# Altium PCB Adafruit CLUE nRF52840 Express.PcbDoc
Units mm, origin at the board's own origin, x right, y up, seen from the top; angles counter-clockwise.
Board outline 51.4 x 42 mm, 2 copper layers (Top, Bottom); 62 components, 59 nets, 303 pads, 136 vias.
Unrouted connection lines stored in the file: 9.
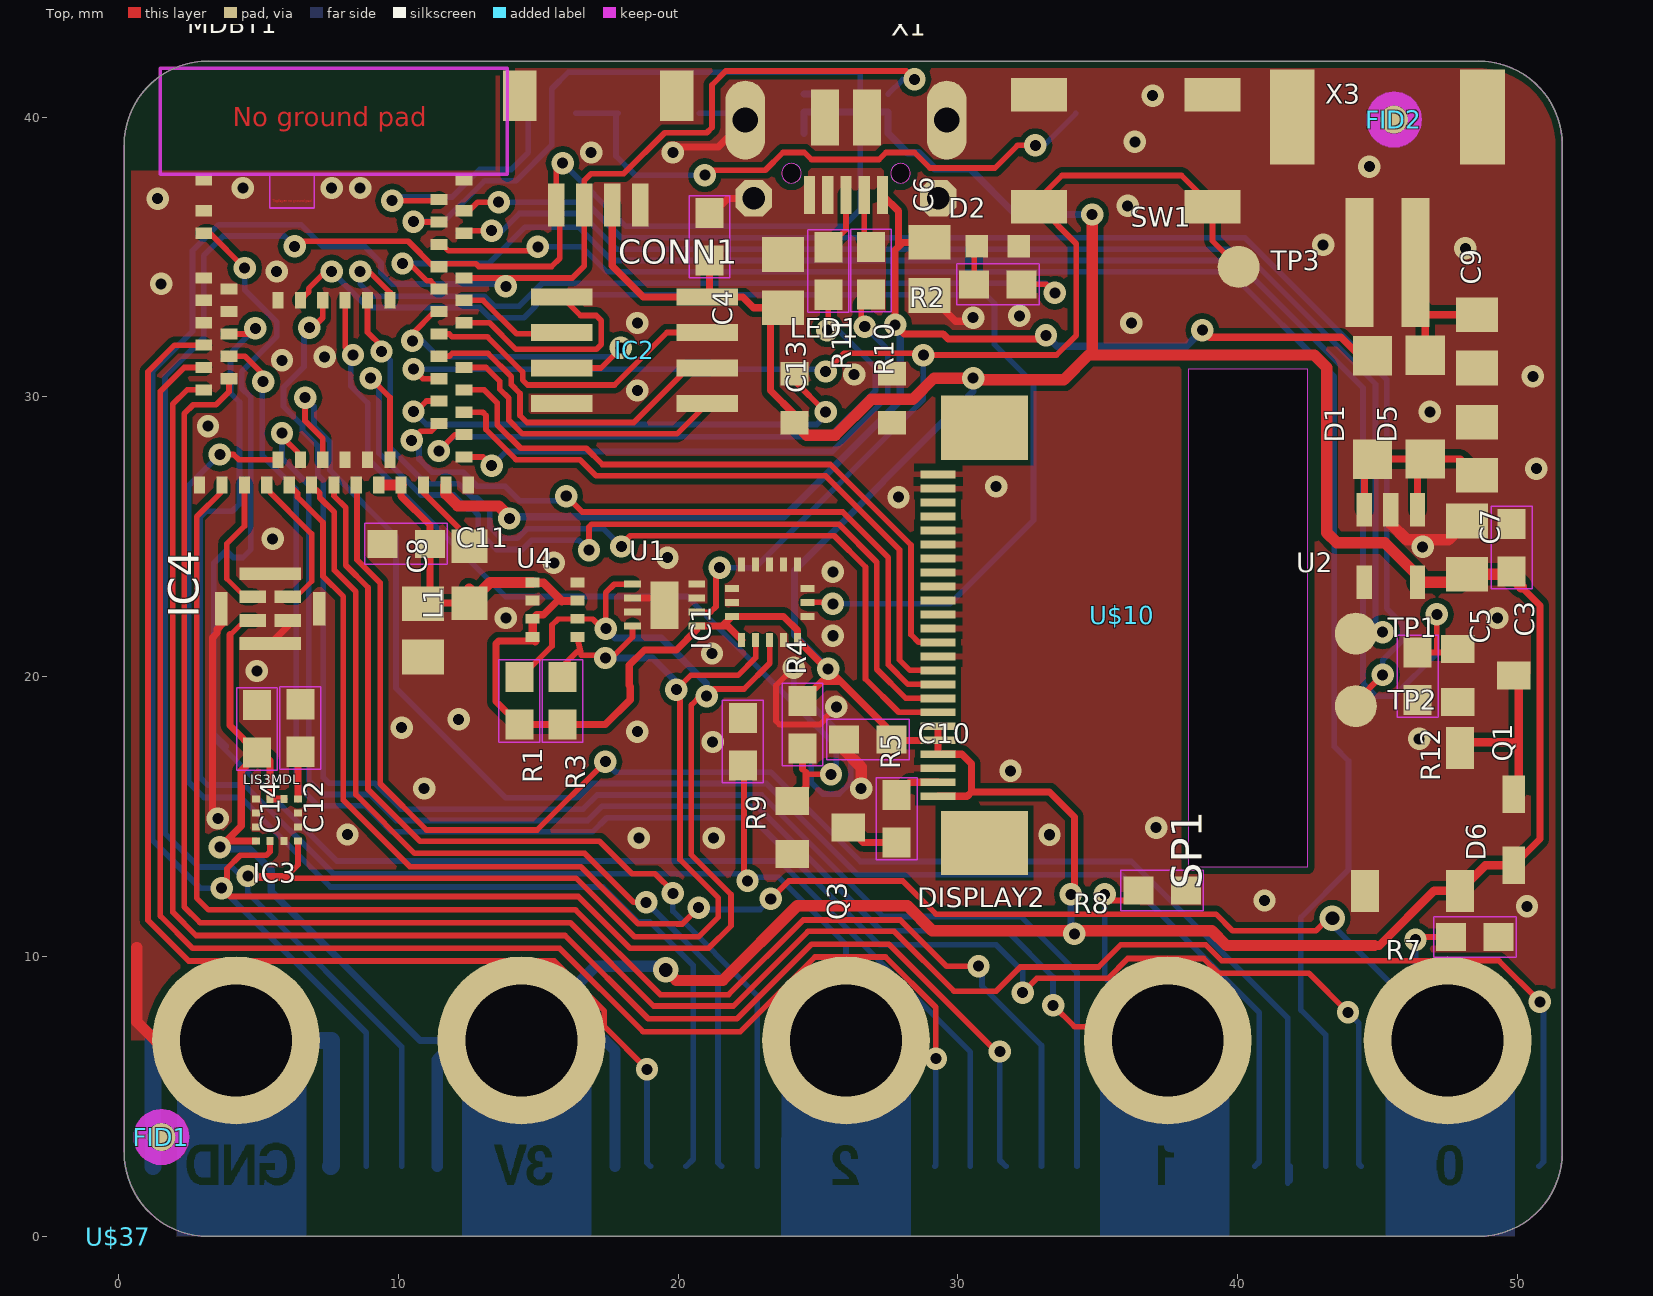
[diagram p0: Top view]
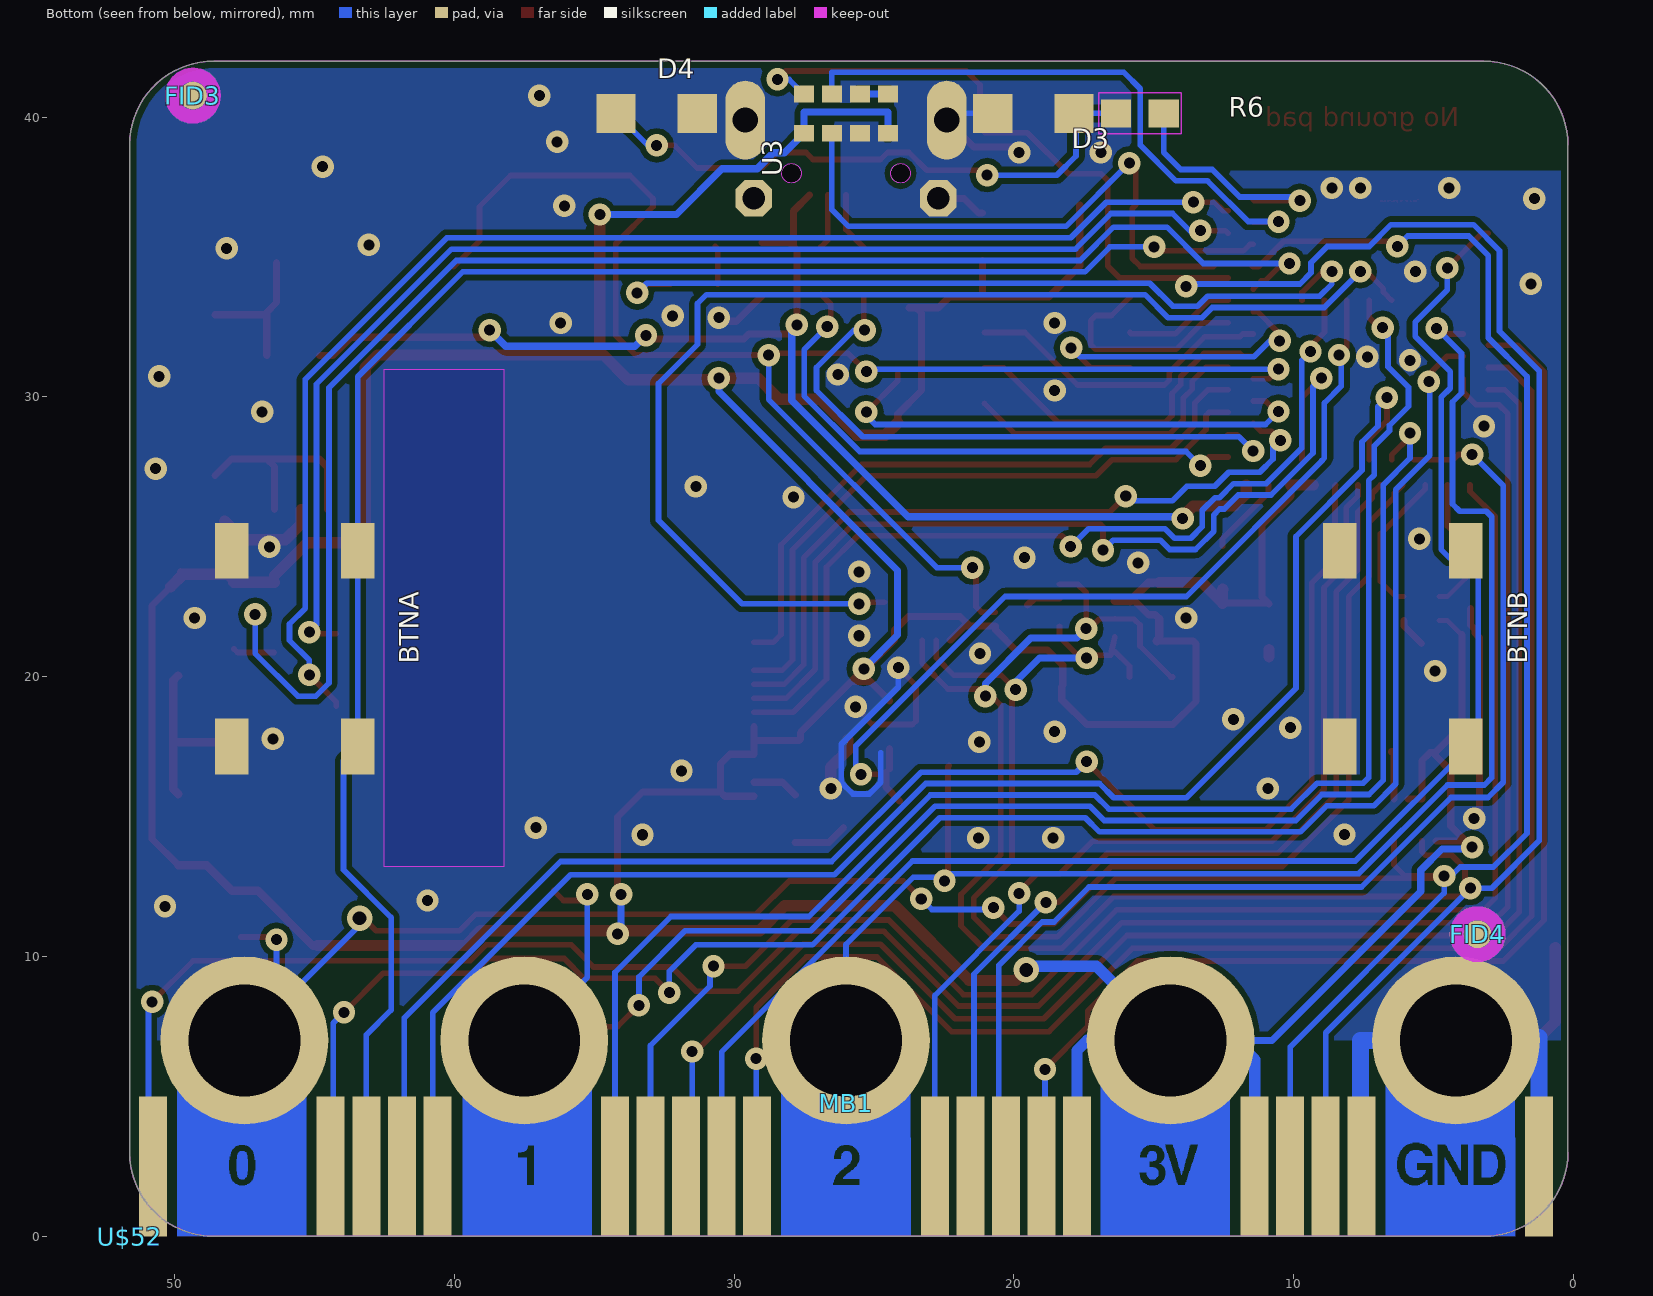
[diagram p1: Bottom view, seen from below]

## Layer stack, top to bottom
Top Solder: solder mask 0.0102, Solder Resist, Dk 3.5
Top: signal copper 0.035
Dielectric 1: dielectric 0.32, FR-4, Dk 4.8
Bottom: signal copper 0.035
Bottom Solder: solder mask 0.0102, Solder Resist, Dk 3.5

## Board outline
51.6,39 ccw(c48.6,39) 48.6,42 3.2,42 ccw(c3.2,39) 0.2,39 0.2,3 ccw(c3.2,3) 3.2,0 48.6,0 ccw(c48.6,3) 51.6,3
cut-out: 24.05,37.642 ccw(c24.05,37.992) 24.4,37.992 ccw(c24.05,37.992) 24.05,38.342 ccw(c24.05,37.992) 23.7,37.992 ccw(c24.05,37.992)
cut-out: 27.95,37.642 ccw(c27.95,37.992) 28.3,37.992 ccw(c27.95,37.992) 27.95,38.342 ccw(c27.95,37.992) 27.6,37.992 ccw(c27.95,37.992)
cut-out: 42.5,30.989 38.237,30.989 38.237,13.2 42.5,13.2

## Design rules (kind name [scope] priority, off if disabled: settings)
BoardOutlineClearance mdCopperDimension [All] p1: gap=0.254 ignorepadtopadclearanceinfootprint=FALSE except(0: Arc-SplitContinuation Track-SplitContinuation SMDPad-SplitContinuation THPad-SplitContinuation Via-SplitContinuation Fill-SplitContinuation Poly-SplitContinuation Region-SplitContinuation Text-SplitContinuation)
Clearance "Clearance (Same Net)" [All] p1: gap=0.203 ignorepadtopadclearanceinfootprint=FALSE
Clearance [All] p2: gap=0.203 ignorepadtopadclearanceinfootprint=FALSE
HoleSize HoleSize_For_NetClass_lowpower [InNetClass('lowpower')] p1: absolutevalues=TRUE maxlimit=0.483 minlimit=0.483 maxpercent=80.000 minpercent=20.000
HoleSize HoleSize_For_NetClass_power [InNetClass('power')] p2: absolutevalues=TRUE maxlimit=0 minlimit=0 maxpercent=80.000 minpercent=20.000
HoleSize [All] p3: absolutevalues=TRUE maxlimit=2540 minlimit=0.394 maxpercent=80.000 minpercent=20.000
HoleToHoleClearance mdDrill [All] p1: gap=0.203 allowstackedmicrovias=TRUE
MinimumSolderMaskSliver [All] p1 off: minsoldermaskwidth=0.254
PasteMaskExpansion Expansion_SMDPaste_OFF [InPadClass('SMDPaste_OFF')] p1: expansion=0
PasteMaskExpansion mlMinCreamFrame [All] p2: expansion=0
PolygonConnect PolygonConnect_For_PolygonThermal_ON_Width80000_Gap100000 [InPolygonClass('PolygonThermal_ON_Width80000_Gap100000') vs Not IsVia] p1: connectstyle=Relief reliefconductorwidth=0.203 reliefentries=4 polygonreliefangle="90 Angle" airgapwidth=0.254
PolygonConnect ThermalVias [IsVia] p2: connectstyle=Direct reliefconductorwidth=0.254 reliefentries=4 polygonreliefangle="90 Angle" airgapwidth=0.254
PolygonConnect [All] p3: connectstyle=Relief reliefconductorwidth=0.254 reliefentries=4 polygonreliefangle="90 Angle" airgapwidth=0.254
RoutingVias [All] p1: holewidth=0.394 width=0.8 viastyle="Through Hole" minholewidth=0.394 minwidth=0.8 maxholewidth=2.54 maxwidth=2.54
SolderMaskExpansion Expansion_SMDSolder_OFF [InPadClass('SMDSolder_OFF')] p1: expansion=0 istentingtop=FALSE
SolderMaskExpansion mlMinStopFrame [All] p2: expansion=0.051 istentingtop=FALSE
Width Width_For_NetClass_lowpower [InNetClass('lowpower')] p1: maxlimit=0.61 minlimit=0.254 preferedwidth=0.305
Width Width_For_NetClass_power [InNetClass('power')] p2: maxlimit=0.254 minlimit=0.254 preferedwidth=0.254
Width [All] p3: maxlimit=0.254 minlimit=0.203 preferedwidth=0.203
26 further rules are at their usual default settings.

## Classes and differential pairs
polygon class PolygonThermal_ON_Width80000_Gap100000: Polygon_1_Net_GND Polygon_2_Net_GND
pad class SMDSolder_OFF: IC3-1 IC3-2 IC3-3 IC3-4 IC3-5 IC3-6 IC3-7 IC3-8 IC3-9 IC3-10 IC3-11 IC3-12 MB1-+3V3 MB1-+3V3@2 MB1-GND MB1-GND@2 MB1-P3 MB1-P4 MB1-P5 MB1-P6 MB1-P7 MB1-P8 MB1-P9 MB1-P10 MB1-P11 MB1-P12 MB1-P13 MB1-P14 MB1-P15 MB1-P16 MB1-P19 MB1-P20
pad class SMDPaste_OFF: FID1-1 FID2-1 FID3-1 FID4-1 IC3-1 IC3-2 IC3-3 IC3-4 IC3-5 IC3-6 IC3-7 IC3-8 IC3-9 IC3-10 IC3-11 IC3-12 MB1-+3V3 MB1-+3V3@2 MB1-GND MB1-GND@2 MB1-P3 MB1-P4 MB1-P5 MB1-P6 MB1-P7 MB1-P8 MB1-P9 MB1-P10 MB1-P11 MB1-P12 MB1-P13 MB1-P14 MB1-P15 MB1-P16 MB1-P19 MB1-P20 TP1-P$1 TP2-P$1 TP3-P$1
net class power: 3.3V VBAT VBUS VHI

## Components (designator, comment, footprint, x,y, rotation, side; value= is the part's Value field where it differs from the comment)
BTNA "6mm" 6MMX6MM_TACTILE_SMT 45.7,21 r270 bottom
BTNB "6mm" 6MMX6MM_TACTILE_SMT 6.1,21 r270 bottom
C3 "0.1uF" 0603-NO 49.788,24.614 r270 top
C4 "0.1uF" 0603-NO 21.123,35.723 r270 top
C5 "10uF" 0805-NO 48.199,24.612 r270 top
C6 "10uF" 0805-NO 28.992,34.572 r90 top
C7 "10uF" 0805-NO 48.556,28.145 r270 top
C8 "10uF" 0805-NO 10.881,21.655 r90 top
C9 "10uF" 0805-NO 48.555,31.984 r90 top
C10 "0.1uF" 0603-NO 26.782,17.755 r0 top
C11 "0.1uF" 0603-NO 10.281,24.746 r0 top
C12 "0.1uF" 0603-NO 6.497,18.166 r270 top
C13 "10uF" 0805-NO 23.747,34.135 r270 top
C14 "0.1uF" 0603-NO 4.953,18.134 r270 top
CONN1 "" JST_SH4 17.145,39.37 r180 top
D1 "MBR120" SOD-123 44.822,29.622 r90 top
D2 "RED" CHIPLED_0603_NOOUTLINE 31.427,35.386 r270 top
D3 "L130-5780001400001" EVERLIGHT_45-21 19.304,40.132 r0 bottom
D4 "L130-5780001400001" EVERLIGHT_45-21 32.766,40.132 r180 bottom
D5 "MBR120" SOD-123 46.7,29.635 r90 top
D6 "1N4148" SOD-323 49.86,14.529 r90 top
DISPLAY2 "" TFT_1.3IN_240X240_24P 42.672,11.176 r90 top
FID1 "" FIDUCIAL_1MM 1.533,3.548 r0 top
FID2 "" FIDUCIAL_1MM 45.584,39.908 r0 top
FID3 "" FIDUCIAL_1MM 49.34,40.767 r180 bottom
FID4 "" FIDUCIAL_1MM 3.429,10.795 r180 bottom
IC1 "LSM6DS33" LGA16_3X3MM 23.274,22.656 r90 top
IC2 "" SOIC8_150MIL 18.447,31.667 r270 top
IC3 "LIS3MDL" LGA12_2X2MM 5.665,14.875 r180 top
IC4 "MIC_PDM" SPK0415HM4H 5.43,22.434 r270 top
L1 "DNP" _0805MP 12.543,23.645 r90 top
LED1 "WS2812B3535" LED3535 25.902,29.953 r0 top
MB1 "" MICROBIT_EDGE 26,0 r180 bottom
MDBT1 "MDBT50" MDBT50 7.7,34 r0 top
Q1 "BSS138" SOT23-WIDE 48.87,20.041 r270 top
Q3 "BSS138" SOT23-WIDE 25.082,14.605 r270 top
R1 "4.7K" 0603-NO 14.323,19.136 r270 top
R2 "1K" 0603-NO 31.43,34.022 r180 top
R3 "4.7K" 0603-NO 15.871,19.136 r270 top
R4 "10K" 0603-NO 24.447,18.288 r90 top
R5 "10" 0603-NO 27.813,14.922 r90 top
R6 "10" 0603-NO 15.494,40.132 r180 bottom
R7 "1Mohm" 0603-NO 48.476,10.693 r180 top
R8 "1Mohm" 0603-NO 37.3,12.357 r180 top
R9 "1Mohm" 0603-NO 22.314,17.678 r270 top
R10 "22" 0603-NO 26.891,34.51 r270 top
R11 "22" 0603-NO 25.371,34.499 r270 top
R12 "10K" 0603-NO 46.431,20.015 r270 top
SP1 "SPEAKER_BUZZER5MM" BUZZER_SMT_5MM 46.342,14.948 r90 top
SW1 "KMR2" EVQ-Q2_SMALLER 36,38.8 r180 top
TP1 "" TESTPOINT_ROUND_1.5MM 44.221,21.539 r0 top
TP2 "" TESTPOINT_ROUND_1.5MM 44.221,18.948 r0 top
TP3 "" TESTPOINT_ROUND_1.5MM 40.03,34.646 r0 top
U1 "SHT30" SHT3X 19.517,22.556 r0 top
U2 "AP2112(3.3V)" SOT23-5 45.474,24.67 r180 top
U3 "APDS-9960" APDS-9960 26,40.119 r90 bottom
U4 "BMP280" BMP280 15.6,22.393 r0 top
U$10 "" PCBFEAT-REV-056 35.878,22.205 r0 top
U$37 "" CLUE_BACK 0,0 r0 top
U$52 "" CLUE_FRONT 51.6,0 r180 bottom
X1 "4u20329" 4UCONN_20329_SLIM 26,37.992 r180 top
X3 "JSTPH" JSTPH2 45.35,38.5 r0 top

## Footprints (in the part's own frame and the unit in brackets; to place one, negate y for a bottom-side part, rotate by r counter-clockwise, add the part's x,y. Pads: shape width x height; smd on the part's side, far side on the other; paste and mask are expansions set on the pad)
4UCONN_20329_SLIM [mm] "4UCONN_20329_SLIM"
  rect 1x2 smd: BASE@1(-0.75,-2) BASE@2(0.75,-2)
  rect 0.4x1.35 smd: D+(0,0.775) D-(-0.65,0.775) GND(1.3,0.775) ID(0.65,0.775) VBUS(-1.3,0.775)
  oct 1.308x1.308 / inner round 1.209 / far side oct 1.308x1.308 hole 0.8: SPRT@1(-3.3,0.9) SPRT@2(3.3,0.9)
  oval 1.408x2.816 hole 0.9: SPRT@3(-3.6,-1.9) SPRT@4(3.6,-1.9)
6MMX6MM_TACTILE_SMT [mm] "6MMX6MM_TACTILE_SMT"
  rect 2x1.2 smd: A(-3.5,-2.25) A'(3.5,-2.25) B(-3.5,2.25) B'(3.5,2.25)
0603-NO [mm] "0603-NO"
  rect 1.075x1 smd: 1(-0.85,0) 2(0.85,0)
  Top keep-out lines w0.051: 1.473,-0.729 -1.473,-0.729 -1.473,0.729 1.473,0.729 1.473,-0.729
0805-NO [mm] "0805-NO"
  rect 1.24x1.5 smd: 1(-0.95,0) 2(0.95,0)
_0805MP [mil] "_0805MP"
  rect 47.24x51.18 smd: 1(-40,0) 2(40,0)
APDS-9960 [mm] "APDS-9960"
  rect 0.6x0.72 smd: 1(0.7,1.505) 2(0.7,0.505) 3(0.7,-0.495) 4(0.7,-1.495) 5(-0.7,-1.495) 6(-0.7,-0.495) 7(-0.7,0.505) 8(-0.7,1.505)
BMP280 [mm] "BMP280"
  rect 0.5x0.35 smd: 1(0.8,0.975) 2(0.8,0.325) 3(0.8,-0.325) 4(0.8,-0.975) 5(-0.8,-0.975) 6(-0.8,-0.325) 7(-0.8,0.325) 8(-0.8,0.975)
BUZZER_SMT_5MM [mm] "BUZZER_SMT_5MM"
  rect 1.5x1 smd: +(-2.6,-1.6) -(2.5,-1.6) MT(-2.6,1.8)
CHIPLED_0603_NOOUTLINE [mil] "CHIPLED_0603_NOOUTLINE"
  rect 31.5x31.5 smd: A(0,-29.53) C(0,29.53)
CLUE_BACK [mm] "CLUE_BACK"
CLUE_FRONT [mm] "CLUE_FRONT"
EVERLIGHT_45-21 [mm] "EVERLIGHT_45-21"
  rect 1.4x1.4 smd: A(-1.45,0) K(1.45,0)
EVQ-Q2_SMALLER [mm] "EVQ-Q2_SMALLER"
  rect 2x1.2 smd: A(-3.1,-2) A'(3.1,-2) B(-3.1,2) B'(3.1,2)
FIDUCIAL_1MM [mm] "FIDUCIAL_1MM"
  rrect100% 1x1 smd paste+0: 1(0,0)
  Top keep-out lines w0.5: -0.75,0 ccw(c0,0) 0,-0.75 ; -0.75,0 cw(c0,0) 0,0.75 ; -0.75,0 ccw(c0,0) 0,-0.75 ; -0.75,0 cw(c0,0) 0,0.75 ; 0,-0.75 ccw(c0,0) 0.75,0 ; 0,-0.75 ccw(c0,0) 0.75,0 ; 0,0.75 cw(c0,0) 0.75,0 ; 0,0.75 cw(c0,0) 0.75,0
JST_SH4 [mm] "JST_SH4"
  rect 0.6x1.55 smd: 1(-1.5,2.514) 2(-0.5,2.514) 3(0.5,2.514) 4(1.5,2.514)
  rect 1.2x1.8 smd: MT1(-2.8,-1.386) MT2(2.8,-1.386)
JSTPH2 [mm] "JSTPH2"
  rect 1x4.6 smd: 1(-1,-3.7) 2(1,-3.7)
  rect 1.6x3.4 smd: NC1(-3.4,1.5) NC2(3.4,1.5)
LED3535 [mm] "LED3535"
  rect 1x0.85 smd: 1(-1.75,0.875) 2(-1.75,-0.875) 3(1.75,-0.875) 4(1.75,0.875)
LGA12_2X2MM [mm] "LGA12_2X2MM"
  rect 0.275x0.25 smd paste+0 mask+0: 1(-0.75,0.75) 2(-0.75,0.25) 3(-0.75,-0.25) 4(-0.75,-0.75) 7(0.75,-0.75) 8(0.75,-0.25) 9(0.75,0.25) 10(0.75,0.75)
  rect 0.25x0.275 smd paste+0 mask+0: 5(-0.25,-0.75) 6(0.25,-0.75) 11(0.25,0.75) 12(-0.25,0.75)
LGA16_3X3MM [mm] "LGA16_3X3MM"
  rect 0.5x0.25 smd: 1(-1.35,1) 2(-1.35,0.5) 3(-1.35,0) 4(-1.35,-0.5) 5(-1.35,-1) 9(1.35,-1) 10(1.35,-0.5) 11(1.35,0) 12(1.35,0.5) 13(1.35,1)
  rect 0.25x0.5 smd: 6(-0.5,-1.35) 7(0,-1.35) 8(0.5,-1.35) 14(0.5,1.35) 15(0,1.35) 16(-0.5,1.35)
MDBT50 [mil] "MDBT50"
  rect 23.62x15.75 smd: 1(-183.07,147.64) 2(-183.07,104.33) 3(-183.07,72.83) 4(-183.07,9.84) 5(-147.64,-5.91) 6(-183.07,-21.65) 7(-147.64,-37.4) 8(-183.07,-53.15) 9(-147.64,-68.9) 10(-183.07,-84.65) 11(-147.64,-100.39) 12(-183.07,-116.14) 13(-147.64,-131.89) 14(-183.07,-147.64) 34(183.07,-242.13) 35(183.07,-210.63) 36(147.64,-194.88) 37(183.07,-179.13) 38(147.64,-163.39) 39(183.07,-147.64) 40(147.64,-131.89) 41(183.07,-116.14) 42(147.64,-100.39) 43(147.64,-68.9) 44(183.07,-53.15) 45(147.64,-37.4) 46(183.07,-21.65) 47(147.64,-5.91) 48(183.07,9.84) 49(147.64,25.59) 50(147.64,57.09) 51(183.07,72.83) 52(147.64,88.58) 53(183.07,104.33) 54(147.64,120.08) 55(183.07,147.64)
  rect 15.75x23.62 smd: 15(-188.98,-281.5) 16(-157.48,-281.5) 17(-125.98,-281.5) 18(-94.49,-281.5) 19(-78.74,-246.06) 20(-62.99,-281.5) 21(-47.24,-246.06) 22(-31.5,-281.5) 23(-15.75,-246.06) 24(0,-281.5) 25(15.75,-246.06) 26(31.5,-281.5) 27(47.24,-246.06) 28(62.99,-281.5) 29(78.74,-246.06) 30(94.49,-281.5) 31(125.98,-281.5) 32(157.48,-281.5) 33(188.98,-281.5) 56(-78.74,-21.65) 57(-47.24,-21.65) 58(-15.75,-21.65) 59(15.75,-21.65) 60(47.24,-21.65) 61(78.74,-21.65)
  Top keep-out lines w2.36: -90.55,155.51 -90.55,108.27 -27.56,108.27 -27.56,155.51
  Top keep-out lines w5: -244.09,155.51 -244.09,305.12 244.09,305.12 244.09,155.51 -27.56,155.51 -90.55,155.51 -244.09,155.51
MICROBIT_EDGE [mm] "MICROBIT_EDGE"
  rect 1x5 smd paste+0 mask+0: +3V3(8.255,2.5) +3V3@2(14.605,2.5) GND(18.415,2.5) GND@2(24.765,2.5) P3(-24.765,2.5) P4(-18.415,2.5) P5(-17.145,2.5) P6(-15.875,2.5) P7(-14.605,2.5) P8(-8.255,2.5) P9(-6.985,2.5) P10(-5.715,2.5) P11(-4.445,2.5) P12(-3.175,2.5) P13(3.175,2.5) P14(4.445,2.5) P15(5.715,2.5) P16(6.985,2.5) P19(15.875,2.5) P20(17.145,2.5)
  round 6 hole 4: +3V3@1(11.6,7) GND@1(21.8,7) P0(-21.5,7) P1(-11.5,7) P2(0,7)
  Top drawing of 1700 lines, arcs and shapes, not listed
PCBFEAT-REV-056 [mm] "PCBFEAT-REV-056"
SHT3X [mm] "SHT3X"
  rect 0.6x0.25 smd: 1(-1.15,0.75) 2(-1.15,0.25) 3(-1.15,-0.25) 4(-1.15,-0.75) 5(1.15,-0.75) 6(1.15,-0.25) 7(1.15,0.25) 8(1.15,0.75)
  rect 1x1.7 smd: THERMAL(0,0)
SOD-123 [mm] "SOD-123"
  rect 1.4x1.4 smd: A(1.85,0) C(-1.85,0)
SOD-323 [mm] "SOD-323"
  rect 1.35x0.8 smd: A(1.27,0) C(-1.27,0)
SOIC8_150MIL [mm] "SOIC8_150MIL"
  rect 0.6x2.2 smd: 1(-1.905,-2.6) 2(-0.635,-2.6) 3(0.635,-2.6) 4(1.905,-2.6) 5(1.905,2.6) 6(0.635,2.6) 7(-0.635,2.6) 8(-1.905,2.6)
SOT23-5 [mm] "SOT23-5"
  rect 0.55x1.2 smd: 1(-0.95,-1.3) 2(0,-1.3) 3(0.95,-1.3) 4(0.95,1.3) 5(-0.95,1.3)
SOT23-WIDE [mm] "SOT23-WIDE"
  rect 1x1.2 smd: 1(-0.95,-1) 2(0.95,-1) 3(0,1)
SPK0415HM4H [mm] "SPK0415HM4H"
  rect 0.45x0.95 smd: 1(0.425,-0.625) 2(0.425,0.625) 3(-0.425,0.625) 4(-0.425,-0.625)
  rect 1.2x0.45 smd: 5(0,-1.75) 7(0,1.75)
  rect 0.45x2.2 smd: 6(1.25,0) 8(-1.25,0)
TESTPOINT_ROUND_1.5MM [mm] "TESTPOINT_ROUND_1.5MM"
  rrect100% 1.5x1.5 smd paste+0: P$1(0,0)
TFT_1.3IN_240X240_24P [mm] "TFT_1.3IN_240X240_24P"
  rect 0.28x1.25 smd: 1(4.55,13.378) 2(5.05,13.378) 3(5.55,13.378) 4(6.05,13.378) 5(6.55,13.378) 6(7.05,13.378) 7(7.55,13.378) 8(8.05,13.378) 9(8.55,13.378) 10(9.05,13.378) 11(9.55,13.378) 12(10.05,13.378) 13(10.55,13.378) 14(11.05,13.378) 15(11.55,13.378) 16(12.05,13.378) 17(12.55,13.378) 18(13.05,13.378) 19(13.55,13.378) 20(14.05,13.378) 21(14.55,13.378) 22(15.05,13.378) 23(15.55,13.378) 24(16.05,13.378)
  rect 2.3x3.1 smd: MNT1(2.88,11.722) MNT2(17.72,11.722)

## Part data
BTNA BTNB: library part 6MMX6MM_TACTILE_SMT, PackageName=6MMX6MM_TACTILE_SMT
C3 C4 C10 C11 C12 C14 R1 R2 R3 R4 R5 R6 R7 R8 R9 R10 R11 R12: library part 0603-NO, PackageName=0603-NO
C5 C6 C7 C8 C9 C13: library part 0805-NO, PackageName=0805-NO
CONN1: library part JST_SH4, PackageName=JST_SH4
D1 D5: library part SOD-123, PackageName=SOD-123
D2: library part CHIPLED_0603_NOOUTLINE, PackageName=CHIPLED_0603_NOOUTLINE
D3 D4: library part EVERLIGHT_45-21, PackageName=EVERLIGHT_45-21
D6: library part SOD-323, PackageName=SOD-323
DISPLAY2: library part TFT_1.3IN_240X240_24P, PackageName=TFT_1.3IN_240X240_24P
FID1 FID2 FID3 FID4: library part FIDUCIAL_1MM, PackageName=FIDUCIAL_1MM
IC1: library part LGA16_3X3MM, PackageName=LGA16_3X3MM
IC2: library part SOIC8_150MIL, PackageName=SOIC8_150MIL
IC3: library part LGA12_2X2MM, PackageName=LGA12_2X2MM
IC4: library part SPK0415HM4H, PackageName=SPK0415HM4H
L1: library part _0805MP, PackageName=_0805MP
LED1: library part LED3535, PackageName=LED3535
MB1: library part MICROBIT_EDGE, PackageName=MICROBIT_EDGE
Q1 Q3: library part SOT23-WIDE, PackageName=SOT23-WIDE
SP1: library part BUZZER_SMT_5MM, PackageName=BUZZER_SMT_5MM
SW1: library part EVQ-Q2_SMALLER, PackageName=EVQ-Q2_SMALLER
TP1 TP2 TP3: library part TESTPOINT_ROUND_1.5MM, PackageName=TESTPOINT_ROUND_1.5MM
U1: library part SHT3X, PackageName=SHT3X
U2: library part SOT23-5, PackageName=SOT23-5
U$10: library part PCBFEAT-REV-056, PackageName=PCBFEAT-REV-056
U$37: library part CLUE_BACK, PackageName=CLUE_BACK
U$52: library part CLUE_FRONT, PackageName=CLUE_FRONT
X1: library part 4UCONN_20329_SLIM, PackageName=4UCONN_20329_SLIM
X3: library part JSTPH2, PackageName=JSTPH2
MDBT1: PackageName=MDBT50
U3: PackageName=APDS-9960
U4: PackageName=BMP280

## Free pads (board coordinates)
  round 0.7 hole 0.7 unplated: MH1(27.95,37.992) MH2(24.05,37.992)